# Altium PCB VALVEBOARD_Kun.PcbDoc (part 12 of 13) (continued)
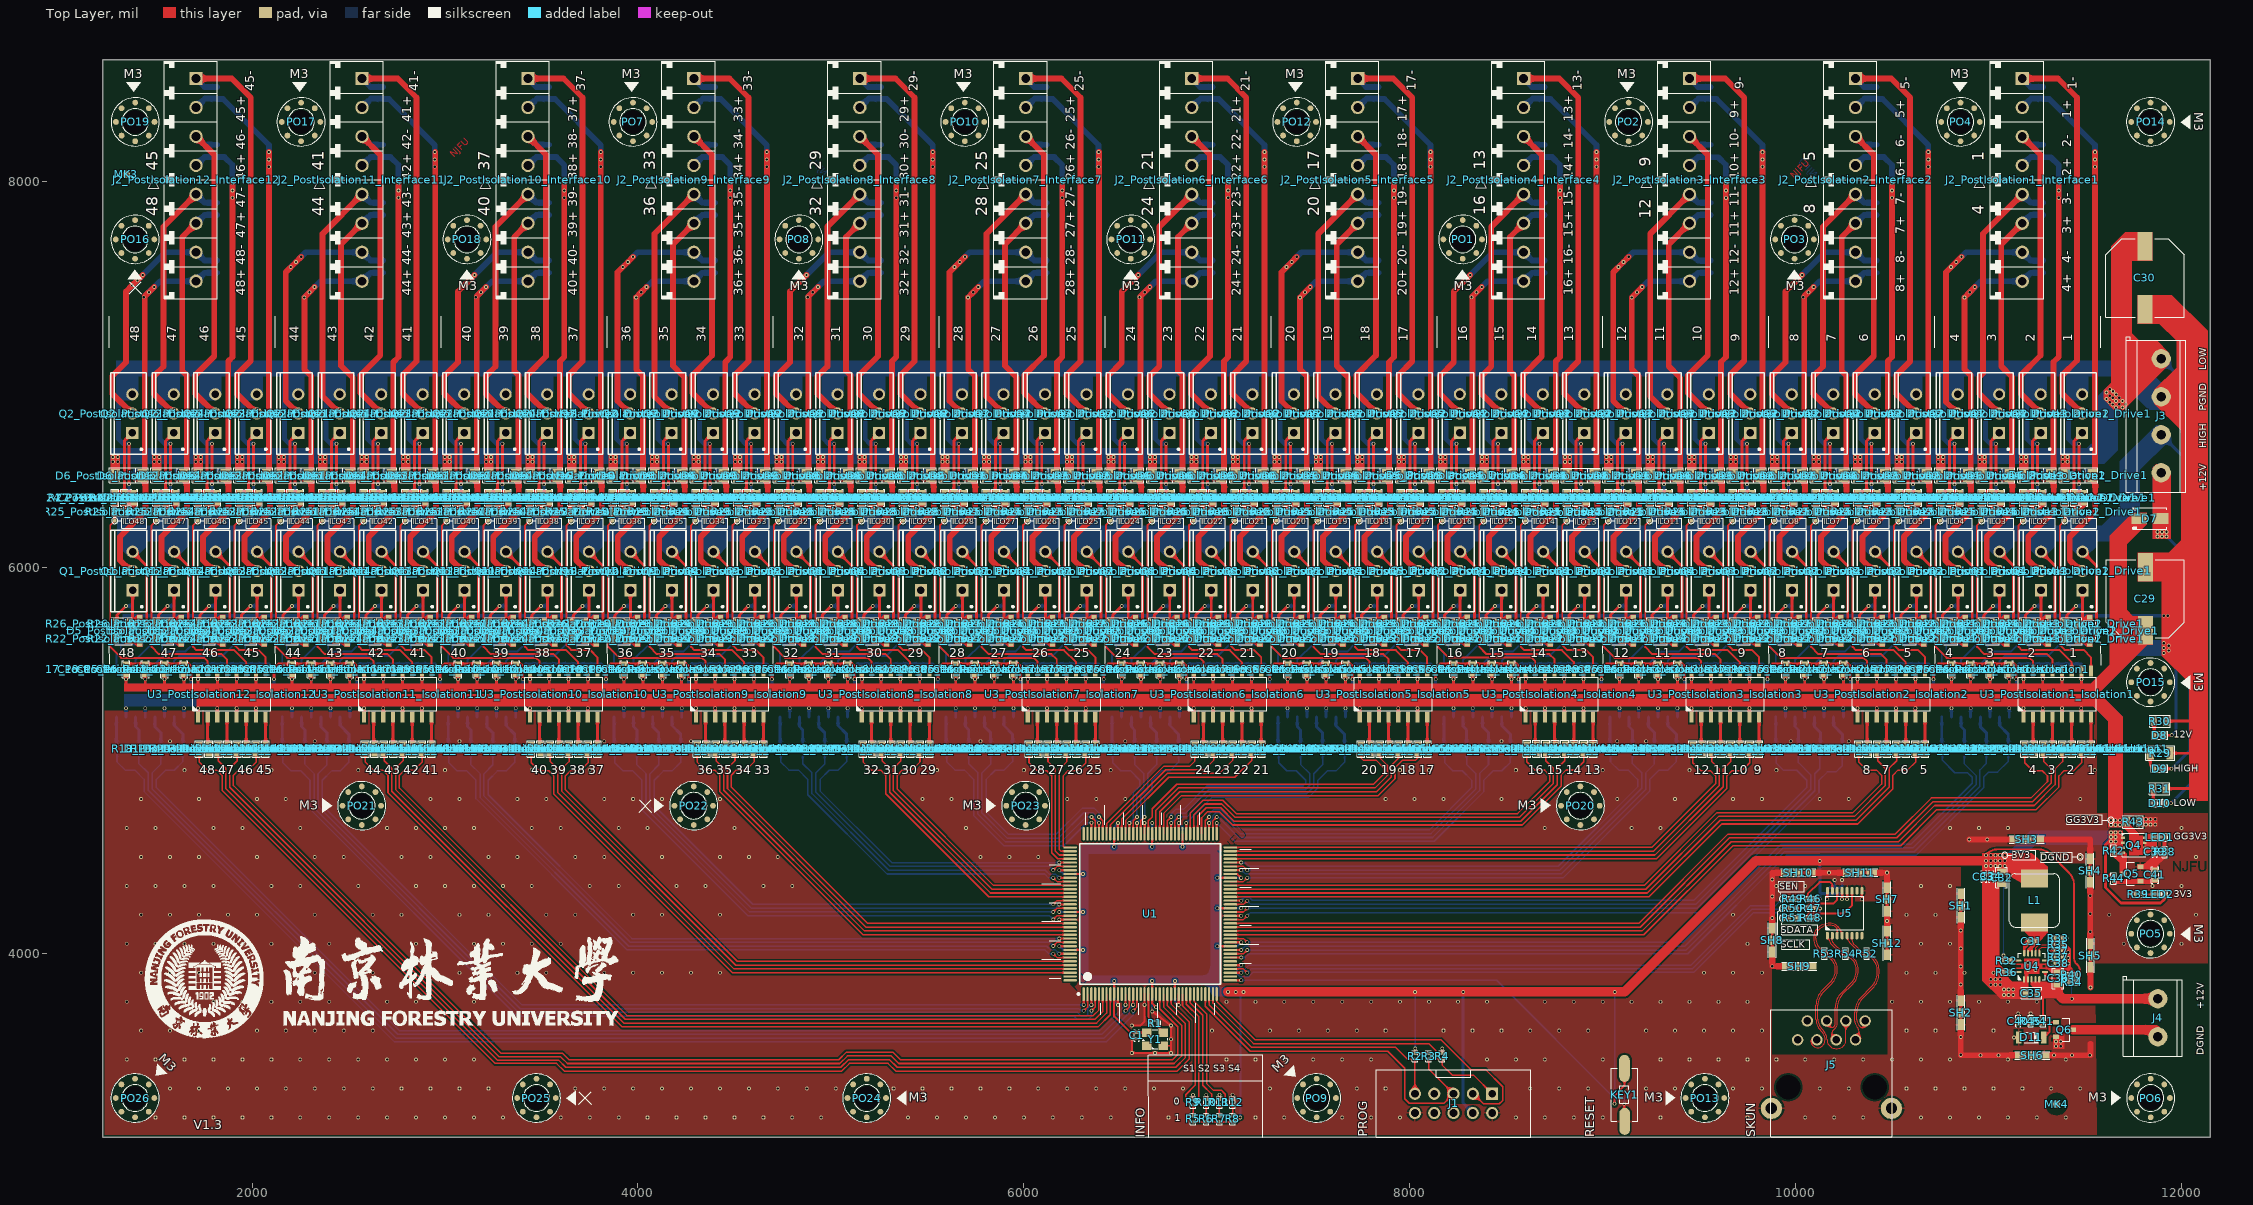
[diagram p0: Top Layer view]
## Nets (pads, with @x,y where several pads share a name; then routed paths per layer and width w, separated by ;. In a path a pad name is that pad's centre, name@x,y a point inside that pad or via, vN(x,y) a via of type N, cw(c..) or ccw(c..) an arc to the next point about the centre after c; other vN are vias at no path point) (continued)
UP2_12: R15_PostIsolation12_Isolation12.1 U1.13 | length 5916.4
  Top Layer w8: v1(6527.45,3702.66) 6546.73,3721.95 U1.13@6546.73,3789.65
  Bottom Layer w8: R15_PostIsolation12_Isolation12.1@1527.64,5032.29 1527.64,4981.62 1481.51,4935.48 1481.51,4853.68 2754.51,3580.68 6405.47,3580.68 v1(6527.45,3702.66)
UP3_1: R16_PostIsolation1_Isolation1.1 U1.45 | length 4402.1
  Top Layer w8: U1.45@7070.35,4017.99 v1(7126.6,4017.99)
  Bottom Layer w8: v1(7126.6,4017.99) 7146.31,4037.7 9424.88,4037.7 9934.05,4546.87 10607.11,4546.87 10934.96,4874.72 10934.96,4921.85 10874.5,4982.3 R16_PostIsolation1_Isolation1.1@10874.5,5032.29
UP3_2: R16_PostIsolation2_Isolation2.1 U1.57 | length 3479.7
  Top Layer w8: U1.57@7070.35,4254.21 7138.05,4254.21 v1(7157.34,4273.5)
  Bottom Layer w8: v1(7157.34,4273.5) 7176.65,4254.19 9481.99,4254.19 10078.87,4851.07 10078.87,4924.92 10014.38,4989.41 R16_PostIsolation2_Isolation2.1@10014.38,5032.31
UP3_3: R16_PostIsolation3_Isolation3.1 U1.67 | length 2511
  Top Layer w8: U1.67@7070.35,4451.06 7138.05,4451.06 v1(7157.34,4431.78)
  Bottom Layer w8: v1(7157.34,4431.78) 8777.11,4431.78 9201.94,4856.61 9201.94,4935.98 9154.32,4983.6 R16_PostIsolation3_Isolation3.1@9154.32,5032.31
UP3_4: R16_PostIsolation4_Isolation4.1 U1.75 | length 1807.3
  Top Layer w8: U1.75@6960.12,4620.35 v1@6960.12,4677.06
  Bottom Layer w8: v1@6960.28,4679.27 6979.85,4698.85 6979.85,4714.18 6994.15,4728.48 7012.89,4728.48 7120.43,4620.94 8110.21,4620.94 8341.97,4852.7 8341.97,4932.43 8294.35,4980.05 R16_PostIsolation4_Isolation4.1@8294.35,5028.75
  Bottom Layer w10: v1(6960.28,4676.07) v1@6960.28,4679.27
UP3_5: R16_PostIsolation5_Isolation5.1 U1.85 | length 1043.4
  Top Layer w8: U1.85@6763.27,4620.35 v1@6763.27,4677.06
  Bottom Layer w8: v1(6763.43,4676.07) 6783.63,4696.27 6783.63,4714.81 6795.71,4726.89 6837.25,4726.89 6958.4,4848.04 7458.27,4848.04 7481.91,4871.68 7481.91,4931.98 7434.28,4979.6 R16_PostIsolation5_Isolation5.1@7434.28,5028.31
UP3_6: R16_PostIsolation6_Isolation6.1 U1.95 | length 447.4
  Top Layer w8: U1.95@6566.42,4620.35 6566.42,4687.8 v1@6583.79,4705.17
  Bottom Layer w8: R16_PostIsolation6_Isolation6.1@6574.22,5028.31 6574.22,4979.6 6621.85,4931.98 6621.85,4858.91 6586.27,4823.33 v1(6586.27,4707.34)
UP3_7: R16_PostIsolation7_Isolation7.1 U1.105 | length 1127.3
  Top Layer w8: v1(6350.28,4707.34) 6369.57,4688.05 U1.105@6369.57,4620.35
  Bottom Layer w8: R16_PostIsolation7_Isolation7.1@5714.13,5032.29 5714.13,4983.58 5761.75,4935.96 5761.75,4720.96 5904.68,4578.03 6192.7,4578.03 6322,4707.34 v1(6350.28,4707.34)
UP3_8: R16_PostIsolation8_Isolation8.1 U1.117 | length 1742
  Top Layer w8: v1(6183.4,4392.01) U1.117@6239.65,4392.01
  Bottom Layer w8: R16_PostIsolation8_Isolation8.1@4854.07,5032.29 4854.07,4983.58 4901.69,4935.96 4901.69,4829.01 5299.32,4431.38 6110.4,4431.38 6130.46,4411.32 6164.09,4411.32 v1(6183.4,4392.01)
UP3_9: R16_PostIsolation9_Isolation9.1 U1.125 | length 2724.4
  Top Layer w8: v1(6152.66,4215.24) 6171.95,4234.53 U1.125@6239.65,4234.53
  Bottom Layer w8: R16_PostIsolation9_Isolation9.1@3994.04,5028.31 3994.04,4979.6 4041.66,4931.98 4041.66,4751.97 4578.39,4215.24 v1(6152.66,4215.24)
UP3_10: R16_PostIsolation10_Isolation10.1 U1.137 | length 3633.2
  Top Layer w8: v1(6183.4,3998.31) U1.137@6239.65,3998.31
  Bottom Layer w8: R16_PostIsolation10_Isolation10.1@3133.98,5028.31 3133.98,4979.6 3181.6,4931.98 3181.6,4808.43 3952.36,4037.68 6118.38,4037.68 6137.96,4018.09 6163.61,4018.09 v1(6183.4,3998.31)
UP3_11: R16_PostIsolation11_Isolation11.1 U1.3 | length 4866.8
  Top Layer w8: v1(6349.88,3733.4) U1.3@6349.88,3789.65
  Bottom Layer w8: R16_PostIsolation11_Isolation11.1@2273.92,5028.31 2273.92,4979.6 2321.54,4931.98 2321.54,4754.52 3382.03,3694.03 6278.19,3694.03 6296.48,3675.75 6322.9,3675.75 6330.32,3683.17 6330.32,3713.84 v1(6349.88,3733.4)
UP3_12: R16_PostIsolation12_Isolation12.1 U1.14 | length 5983.4
  Top Layer w8: v1(6566.42,3733.4) U1.14@6566.42,3789.65
  Bottom Layer w8: R16_PostIsolation12_Isolation12.1@1413.83,5032.29 1413.83,4983.59 1461.45,4935.96 1461.45,4845.91 2746.36,3561 6415.26,3561 6546.29,3692.03 6546.29,3713.27 v1(6566.42,3733.4)
UP4_1: R17_PostIsolation1_Isolation1.1 U1.48 | length 4446.6
  Top Layer w8: U1.48@7070.35,4077.05 7138.05,4077.05 v1(7157.34,4057.76)
  Bottom Layer w8: v1(7157.34,4057.76) 9416.57,4057.76 9925.74,4566.94 10599.34,4566.94 10914.89,4882.49 10914.89,4912.56 10890.52,4936.93 10824.39,4936.93 10760.68,5000.63 R17_PostIsolation1_Isolation1.1@10760.68,5032.29
UP4_2: R17_PostIsolation2_Isolation2.1 U1.58 | length 3521.6
  Top Layer w8: U1.58@7070.35,4273.9 7070.75,4273.5 v1(7127,4273.5)
  Bottom Layer w8: v1(7127,4273.5) 7145.84,4292.34 7166.81,4292.34 7183.61,4275.54 9473.14,4275.54 10057.52,4859.91 10057.52,4896.98 10005.46,4949.04 9937.02,4949.04 9900.56,4985.51 R17_PostIsolation2_Isolation2.1@9900.56,5032.31
UP4_3: R17_PostIsolation3_Isolation3.1 U1.68 | length 2545.1
  Top Layer w8: U1.68@7070.35,4470.75 v1(7126.07,4470.75)
  Bottom Layer w8: v1(7126.07,4470.75) 7128.05,4468.76 7149.61,4468.76 7167.07,4451.3 8769.02,4451.3 9180.59,4862.87 9180.59,4901.85 9132.14,4950.3 9082.79,4950.3 9040.5,4992.59 R17_PostIsolation3_Isolation3.1@9040.5,5032.31
UP4_4: R17_PostIsolation4_Isolation4.1 U1.76 | length 1867.1
  Top Layer w8: U1.76@6940.43,4620.35 6940.43,4687.8 v1@6957.81,4705.17
  Bottom Layer w8: v1(6960.28,4707.34) 6960.28,4722.08 6982.74,4744.54 7021.2,4744.54 7125.51,4640.23 8102.22,4640.23 8320.62,4858.62 8320.62,4898.29 8272.17,4946.74 8222.82,4946.74 8180.53,4989.03 R17_PostIsolation4_Isolation4.1@8180.53,5028.75
UP4_5: R17_PostIsolation5_Isolation5.1 U1.86 | length 1104.8
  Top Layer w8: U1.86@6743.58,4620.35 6743.58,4687.8 v1@6760.96,4705.17
  Bottom Layer w8: v1(6763.43,4707.34) 6763.43,4723.55 6786.47,4746.59 6827.09,4746.59 6948.24,4867.73 7447.31,4867.73 7460.56,4880.97 7460.56,4897.85 7412.11,4946.3 7362.76,4946.3 7320.47,4988.59 R17_PostIsolation5_Isolation5.1@7320.47,5028.31
UP4_6: R17_PostIsolation6_Isolation6.1 U1.96 | length 518.1
  Top Layer w8: U1.96@6546.73,4620.35 v1@6546.73,4677.06
  Bottom Layer w8: R17_PostIsolation6_Isolation6.1@6460.41,5028.31 6460.41,4988.59 6502.7,4946.3 6552.05,4946.3 6600.49,4897.85 6600.49,4866.01 6566.15,4831.66 6566.15,4695.32 v1(6546.9,4676.07)
UP4_7: R17_PostIsolation7_Isolation7.1 U1.106 | length 1184.7
  Top Layer w8: U1.106@6350.28,4620.75 v1(6350.28,4677)
  Bottom Layer w8: R17_PostIsolation7_Isolation7.1@5600.31,5032.29 5600.31,4992.57 5642.6,4950.28 5691.95,4950.28 5740.4,4901.83 5740.4,4714.47 5896.52,4558.35 6207.32,4558.35 6325.98,4677 v1(6350.28,4677)
UP4_8: R17_PostIsolation8_Isolation8.1 U1.118 | length 1842.5
  Top Layer w8: v1(6152.66,4391.61) 6171.95,4372.32 U1.118@6239.65,4372.32
  Bottom Layer w8: R17_PostIsolation8_Isolation8.1@4740.25,5032.29 4740.25,4992.57 4782.54,4950.28 4831.89,4950.28 4880.34,4901.83 4880.34,4822.52 5291.17,4411.69 6108.09,4411.69 6128.17,4391.61 v1(6152.66,4391.61)
UP4_9: R17_PostIsolation9_Isolation9.1 U1.127 | length 2833.4
  Top Layer w8: v1(6152.66,4175.87) 6171.95,4195.16 U1.127@6239.65,4195.16
  Bottom Layer w8: R17_PostIsolation9_Isolation9.1@3880.22,5028.31 3880.22,4988.59 3922.52,4946.29 3971.86,4946.29 4020.31,4897.85 4020.31,4744.92 4570.08,4195.16 6133.38,4195.16 v1(6152.66,4175.87)
UP4_10: R17_PostIsolation10_Isolation10.1 U1.138 | length 3733.4
  Top Layer w8: v1(6152.66,3997.91) 6171.95,3978.62 U1.138@6239.65,3978.62
  Bottom Layer w8: R17_PostIsolation10_Isolation10.1@3020.16,5028.31 3020.16,4988.59 3062.46,4946.29 3111.8,4946.29 3160.25,4897.85 3160.25,4802.55 3944.38,4018.42 6110.25,4018.42 6130.76,3997.91 v1(6152.66,3997.91)
UP4_11: R17_PostIsolation11_Isolation11.1 U1.4 | length 4997.9
  Top Layer w8: v1(6350.28,3702.66) 6369.57,3721.95 U1.4@6369.57,3789.65
  Bottom Layer w8: R17_PostIsolation11_Isolation11.1@2160.1,5028.31 2160.1,4988.59 2202.39,4946.3 2251.74,4946.3 2300.19,4897.85 2300.19,4748.02 3373.87,3674.34 6261.49,3674.34 6275.99,3659.84 6336.68,3659.84 6350.28,3673.44 v1(6350.28,3702.66)
UP4_12: R17_PostIsolation12_Isolation12.1 U1.15 | length 6118.4
  Top Layer w8: v1(6566.82,3702.66) 6586.1,3721.95 U1.15@6586.1,3789.65
  Bottom Layer w8: R17_PostIsolation12_Isolation12.1@1300.01,5032.29 1300.01,4992.57 1342.3,4950.28 1391.65,4950.28 1440.1,4901.83 1440.1,4839.42 2738.21,3541.31 6426.61,3541.31 6566.82,3681.52 v1(6566.82,3702.66)
VCC3.3: C1.2 C3.2 C4.2 C5.2 C6.2 C7.2 C8.2 C9.2 C10.2 C11.2 C12.2 C13.2 C14.2 C32.2 C33.2 C34.2 C42.2 C43.2 C44.2 J1.4 L1.2 LED2.2 Q4.S R2.2 R3.2 R5.2 R6.2 R7.2 R8.2 R13.2 R32.2 R34.2 R42.2 R44.2 R46.2 R47.2 R48.2 U1.9 U1.19 U1.25 U1.46 U1.56 U1.64 U1.82 U1.90 U1.100 U1.116 U1.126 U1.136 U5.13 U5.16 Y1.4 | length 14333.6
  Top Layer w5: v1(11077.39,3989.39) 11077.55,3989.22 R32.2@11077.55,3961.79
  Top Layer w10: U1.136@6239.65,4017.99 v1@6307.03,4017.99 ; U1.126@6239.65,4214.84 v1@6307.03,4214.84 ; U1.116@6239.65,4411.69 v1@6307.03,4411.69 ; v1@6467.99,3857.03 U1.9@6467.99,3789.65 6467.83,3789.65 6467.83,3673.68 6550.76,3590.75 C1.2@6585,3590.75 6634.41,3590.75 Y1.4@6636.69,3588.47 ; v1@6467.99,4552.97 U1.100@6467.99,4620.35 ; v1@6664.84,4552.97 U1.90@6664.84,4620.35 ; v1(6664.91,3857.1) 6664.84,3857.03 U1.19@6664.84,3789.65 6665.19,3789.3 6665.19,3740.69 v1(6684.91,3720.97) ; U1.25@6782.95,3789.65 v1@6782.95,3857.03 ; v1@6822.32,4552.97 U1.82@6822.32,4620.35 ; R5.2@6876.96,3127.14 R6.2@6945.29,3127.14 R7.2@7013.63,3127.14 R8.2@7081.96,3127.14 7098.91,3127.14 v1(7121.88,3150.11) ; v1@7002.97,4037.68 U1.46@7070.35,4037.68 ; v1@7002.97,4234.53 U1.56@7070.35,4234.53 ; v1@7002.97,4392.01 U1.64@7070.35,4392.01 ; R2.2@8027.79,3482.96 R3.2@8097.79,3482.96 ; R2.2@8028.18,3483.35 v1@8028.18,3507.18 ; R46.2@10094.11,4283.85 v1@10124.67,4283.85 ; R48.2@10094.56,4183.1 v1@10125.12,4183.1 ; R47.2@10094.56,4233.7 10125.12,4233.7 v1(10125.82,4232.99) ; v1(10164,4281.29) 10164.24,4281.53 U5.16@10164.24,4324.84 ; v1@10241.01,4281.53 U5.13@10241.01,4324.84 ; v1@10988.26,4513.96 cw(c11051.04,4451.19) 11051.04,4539.97 11254,4539.97 cw(c11254,4439.97) 11324.71,4510.68 11414.14,4421.25 cw(c11343.43,4350.54) 11443.43,4350.54 11443.43,3975.27 ccw(c11485.7,3975.27) 11455.81,3945.38 11460.8,3940.39 cw(c11430.58,3910.17) 11473.32,3910.17 11473.32,3876.16 cw(c11447.89,3876.16) R34.2@11447.89,3850.74
  Top Layer w15: v1(11634.13,4580.26) 11633.23,4579.36 11622.46,4579.36 11606.44,4563.34 11606.44,4404.68 ; R44.2@11647.41,4404.68 11606.44,4404.68 ; LED2.2@11913.75,4308.02 11911.24,4305.5 11911.24,4281.15 11891.13,4261.05 11686.85,4261.05 11606.44,4341.46 11606.44,4404.68
  Top Layer w50: v1@7057.85,3800.65 v1(7138.05,3800.65) v1(8027.54,3800.65) v1(8276.83,3800.65) v1(9062.52,3800.65) 9113.93,3800.65 9794.11,4480.83 10123.74,4480.83 v1(10125.38,4479.18) 10127.02,4480.83 v1(10986.88,4480.83)
  Bottom Layer w5: 11075.93,4460.84 11077.39,4459.38 v1(11077.39,3989.39)
  Bottom Layer w10: C9.2@6255.46,4017.93 v1(6307.1,4017.93) ; C6.2@6255.46,4214.78 v1(6307.1,4214.78) ; C13.2@6255.46,4411.63 v1(6307.1,4411.63) ; v1(6467.93,4552.9) C7.2@6467.93,4604.54 ; C8.2@6468.06,3805.46 v1(6468.06,3857.1) ; v1(6664.78,4552.9) C4.2@6664.78,4604.54 ; C3.2@6664.84,3805.39 6664.91,3805.46 v1(6664.91,3857.1) ; C10.2@6783.02,3805.46 v1(6783.02,3857.1) ; v1(6822.26,4552.9) C5.2@6822.26,4604.54 ; v1(7002.9,4037.74) C11.2@7054.54,4037.74 ; v1(7002.9,4234.59) C12.2@7054.54,4234.59 ; v1(7002.9,4392.07) C14.2@7054.54,4392.07 ; v1(7121.88,3150.11) 7121.88,3784.58 v1@7138.05,3800.75 ; v1(8027.54,3800.65) 8028.58,3799.61 v1(8028.58,3507.57) ; R13.2@9062.53,3279.84 v1(9062.52,3800.65) ; v1(10125.38,4283.15) 10125.6,4232.99 v1(10125.82,4182.39) ; v1(10164,4281.29) 10164,4308.85 C44.2@10164.24,4309.09 ; v1(10240.78,4281.29) C43.2@10240.78,4308.85
  Bottom Layer w15: v1(8276.83,3800.65) 8276.83,3224.11 8326.96,3173.97 J1.4@8326.96,3172.89 ; v1(10125.38,4283.15) 10125.38,4309.66 ; v1(10125.38,4479.18) 10125.38,4309.66 ; C43.2@10241.01,4309.09 C42.2@10202.63,4309.09 C44.2@10164.24,4309.09 10163.67,4309.66 10125.38,4309.66
  Bottom Layer w50: v1@7138.05,3800.75 v1(7057.85,3800.75) 6991.51,3800.75 6991.51,3860.21 ; 6991.51,3860.21 6991.51,4540.38 6310.32,4540.38 6310.32,4214.78 6310.32,3860.21 6664.91,3860.21 6991.51,3860.21
  other v1: 7097.95,3800.65 10986.88,4452.75 11011.17,4452.75 11035.47,4452.75 11059.77,4452.75 11084.07,4452.75 11011.17,4480.83 11035.47,4480.83 11059.77,4480.83 11084.07,4480.83 10986.88,4508.9 11011.17,4508.9 11035.47,4508.9 11059.77,4508.9 11658.42,4580.26 11634.13,4603.71 11657.58,4603.71 11634.13,4627.16 11657.58,4627.16 11681.88,4627.16
  other v2: 11084.07,4508.9
VCC3.3GG: C39.2 LED1.2 Q4.D R43.2 U2_PostIsolation1_Isolation1.1 U2_PostIsolation1_Isolation1.3 U2_PostIsolation1_Isolation1.5 U2_PostIsolation1_Isolation1.7 U2_PostIsolation2_Isolation2.1 U2_PostIsolation2_Isolation2.3 U2_PostIsolation2_Isolation2.5 U2_PostIsolation2_Isolation2.7 U2_PostIsolation3_Isolation3.1 U2_PostIsolation3_Isolation3.3 U2_PostIsolation3_Isolation3.5 U2_PostIsolation3_Isolation3.7 U2_PostIsolation4_Isolation4.1 U2_PostIsolation4_Isolation4.3 U2_PostIsolation4_Isolation4.5 U2_PostIsolation4_Isolation4.7 U2_PostIsolation5_Isolation5.1 U2_PostIsolation5_Isolation5.3 U2_PostIsolation5_Isolation5.5 U2_PostIsolation5_Isolation5.7 U2_PostIsolation6_Isolation6.1 U2_PostIsolation6_Isolation6.3 U2_PostIsolation6_Isolation6.5 U2_PostIsolation6_Isolation6.7 U2_PostIsolation7_Isolation7.1 U2_PostIsolation7_Isolation7.3 U2_PostIsolation7_Isolation7.5 U2_PostIsolation7_Isolation7.7 U2_PostIsolation8_Isolation8.1 U2_PostIsolation8_Isolation8.3 U2_PostIsolation8_Isolation8.5 U2_PostIsolation8_Isolation8.7 U2_PostIsolation9_Isolation9.1 U2_PostIsolation9_Isolation9.3 U2_PostIsolation9_Isolation9.5 U2_PostIsolation9_Isolation9.7 U2_PostIsolation10_Isolation10.1 U2_PostIsolation10_Isolation10.3 U2_PostIsolation10_Isolation10.5 U2_PostIsolation10_Isolation10.7 U2_PostIsolation11_Isolation11.1 U2_PostIsolation11_Isolation11.3 U2_PostIsolation11_Isolation11.5 U2_PostIsolation11_Isolation11.7 U2_PostIsolation12_Isolation12.1 U2_PostIsolation12_Isolation12.3 U2_PostIsolation12_Isolation12.5 U2_PostIsolation12_Isolation12.7 U3_PostIsolation1_Isolation1.1 U3_PostIsolation1_Isolation1.3 U3_PostIsolation1_Isolation1.5 U3_PostIsolation1_Isolation1.7 U3_PostIsolation2_Isolation2.1 U3_PostIsolation2_Isolation2.3 U3_PostIsolation2_Isolation2.5 U3_PostIsolation2_Isolation2.7 U3_PostIsolation3_Isolation3.1 U3_PostIsolation3_Isolation3.3 U3_PostIsolation3_Isolation3.5 U3_PostIsolation3_Isolation3.7 U3_PostIsolation4_Isolation4.1 U3_PostIsolation4_Isolation4.3 U3_PostIsolation4_Isolation4.5 U3_PostIsolation4_Isolation4.7 U3_PostIsolation5_Isolation5.1 U3_PostIsolation5_Isolation5.3 U3_PostIsolation5_Isolation5.5 U3_PostIsolation5_Isolation5.7 U3_PostIsolation6_Isolation6.1 U3_PostIsolation6_Isolation6.3 U3_PostIsolation6_Isolation6.5 U3_PostIsolation6_Isolation6.7 U3_PostIsolation7_Isolation7.1 U3_PostIsolation7_Isolation7.3 U3_PostIsolation7_Isolation7.5 U3_PostIsolation7_Isolation7.7 U3_PostIsolation8_Isolation8.1 U3_PostIsolation8_Isolation8.3 U3_PostIsolation8_Isolation8.5 U3_PostIsolation8_Isolation8.7 U3_PostIsolation9_Isolation9.1 U3_PostIsolation9_Isolation9.3 U3_PostIsolation9_Isolation9.5 U3_PostIsolation9_Isolation9.7 U3_PostIsolation10_Isolation10.1 U3_PostIsolation10_Isolation10.3 U3_PostIsolation10_Isolation10.5 U3_PostIsolation10_Isolation10.7 U3_PostIsolation11_Isolation11.1 U3_PostIsolation11_Isolation11.3 U3_PostIsolation11_Isolation11.5 U3_PostIsolation11_Isolation11.7 U3_PostIsolation12_Isolation12.1 U3_PostIsolation12_Isolation12.3 U3_PostIsolation12_Isolation12.5 U3_PostIsolation12_Isolation12.7 | length 8381.1
  Top Layer w15: 1719.77,5311.94 1719.77,5270.3 1720,5270.07 U3_PostIsolation12_Isolation12.1@1720,5224.44 ; U3_PostIsolation12_Isolation12.3@1820,5224.44 1820,5270.07 1820,5311.7 ; U3_PostIsolation12_Isolation12.5@1920,5224.44 1920,5270.07 1920,5311.7 ; U3_PostIsolation12_Isolation12.7@2020,5224.44 2020,5270.07 2020,5311.7 ; 2579.83,5311.94 2579.83,5270.3 2580.07,5270.07 U3_PostIsolation11_Isolation11.1@2580.07,5224.44 ; U3_PostIsolation11_Isolation11.3@2680.07,5224.44 2680.07,5270.07 2680.07,5311.7 ; U3_PostIsolation11_Isolation11.5@2780.07,5224.44 2780.07,5270.07 2780.07,5311.7 ; U3_PostIsolation11_Isolation11.7@2880.07,5224.44 2880.07,5270.07 2880.07,5311.7 ; 3439.89,5311.94 3439.89,5270.3 3440.13,5270.06 U3_PostIsolation10_Isolation10.1@3440.13,5224.44 ; U3_PostIsolation10_Isolation10.3@3540.13,5224.44 3540.13,5270.06 3540.13,5311.7 ; U3_PostIsolation10_Isolation10.5@3640.13,5224.44 3640.13,5270.06 3640.13,5311.7 ; U3_PostIsolation10_Isolation10.7@3740.13,5224.44 3740.13,5270.06 3740.13,5311.7 ; 4299.95,5311.94 4299.95,5270.3 4300.19,5270.06 U3_PostIsolation9_Isolation9.1@4300.19,5224.44 ; U3_PostIsolation9_Isolation9.3@4400.19,5224.44 4400.19,5270.06 4400.19,5311.7 ; U3_PostIsolation9_Isolation9.5@4500.19,5224.44 4500.19,5270.06 4500.19,5311.7 ; U3_PostIsolation9_Isolation9.7@4600.19,5224.44 4600.19,5270.06 4600.19,5311.7 ; 5160.01,5311.94 5160.01,5270.3 5160.25,5270.06 U3_PostIsolation8_Isolation8.1@5160.25,5224.44 ; U3_PostIsolation8_Isolation8.3@5260.25,5224.44 5260.25,5270.06 5260.25,5311.7 ; U3_PostIsolation8_Isolation8.5@5360.25,5224.44 5360.25,5270.06 5360.25,5311.7 ; U3_PostIsolation8_Isolation8.7@5460.25,5224.44 5460.25,5270.06 5460.25,5311.7 ; 6020.07,5311.94 6020.07,5270.3 6020.31,5270.06 U3_PostIsolation7_Isolation7.1@6020.31,5224.44 ; U3_PostIsolation7_Isolation7.3@6120.31,5224.44 6120.31,5270.06 6120.31,5311.7 ; U3_PostIsolation7_Isolation7.5@6220.31,5224.44 6220.31,5270.06 6220.31,5311.7 ; U3_PostIsolation7_Isolation7.7@6320.31,5224.44 6320.31,5270.06 6320.31,5311.7 ; 6880.13,5311.94 6880.13,5270.3 6880.37,5270.06 U3_PostIsolation6_Isolation6.1@6880.37,5224.44 ; U3_PostIsolation6_Isolation6.3@6980.37,5224.44 6980.37,5270.06 6980.37,5311.7 ; U3_PostIsolation6_Isolation6.5@7080.37,5224.44 7080.37,5270.06 7080.37,5311.7 ; U3_PostIsolation6_Isolation6.7@7180.37,5224.44 7180.37,5270.06 7180.37,5311.7 ; 7740.19,5311.94 7740.19,5270.3 7740.43,5270.06 U3_PostIsolation5_Isolation5.1@7740.43,5224.44 ; U3_PostIsolation5_Isolation5.3@7840.43,5224.44 7840.43,5270.06 7840.43,5311.7 ; U3_PostIsolation5_Isolation5.5@7940.43,5224.44 7940.43,5270.06 7940.43,5311.7 ; U3_PostIsolation5_Isolation5.7@8040.43,5224.44 8040.43,5270.06 8040.43,5311.7 ; 8600.25,5312.39 8600.25,5270.75 8600.49,5270.51 U3_PostIsolation4_Isolation4.1@8600.49,5224.89 ; U3_PostIsolation4_Isolation4.3@8700.49,5224.89 8700.49,5270.51 8700.49,5312.15 ; U3_PostIsolation4_Isolation4.5@8800.49,5224.89 8800.49,5270.51 8800.49,5312.15 ; U3_PostIsolation4_Isolation4.7@8900.49,5224.89 8900.49,5270.51 8900.49,5312.15 ; 9460.26,5311.96 9460.26,5270.32 9460.5,5270.08 U3_PostIsolation3_Isolation3.1@9460.5,5224.46 ; U3_PostIsolation3_Isolation3.3@9560.5,5224.46 9560.5,5270.08 9560.5,5311.72 ; U3_PostIsolation3_Isolation3.5@9660.5,5224.46 9660.5,5270.08 9660.5,5311.72 ; U3_PostIsolation3_Isolation3.7@9760.5,5224.46 9760.5,5270.08 9760.5,5311.72 ; 10320.32,5311.96 10320.32,5270.32 10320.56,5270.08 U3_PostIsolation2_Isolation2.1@10320.56,5224.46 ; U3_PostIsolation2_Isolation2.3@10420.56,5224.46 10420.56,5270.08 10420.56,5311.72 ; U3_PostIsolation2_Isolation2.5@10520.56,5224.46 10520.56,5270.08 10520.56,5311.72 ; U3_PostIsolation2_Isolation2.7@10620.56,5224.46 10620.56,5270.08 10620.56,5311.72 ; 11180.44,5311.94 11180.44,5270.3 11180.68,5270.06 U3_PostIsolation1_Isolation1.1@11180.68,5224.44 ; U3_PostIsolation1_Isolation1.3@11280.68,5224.44 11280.68,5270.06 11280.68,5311.7 ; U3_PostIsolation1_Isolation1.5@11380.68,5224.44 11380.68,5270.06 11380.68,5311.7 ; U3_PostIsolation1_Isolation1.7@11480.68,5224.44 11480.68,5270.06 11480.68,5311.7
  Bottom Layer w15: U2_PostIsolation12_Isolation12.7@1346.51,5224.81 v1@1346.51,5270.43 ; v1(1346.51,5270.67) 1346.51,5312.31 ; U2_PostIsolation12_Isolation12.5@1446.51,5224.81 1446.51,5270.43 1446.51,5312.07 ; U2_PostIsolation12_Isolation12.3@1546.51,5224.81 1546.51,5270.43 1546.51,5312.07 ; U2_PostIsolation12_Isolation12.1@1646.51,5224.81 1646.51,5270.43 1646.51,5312.07 ; U2_PostIsolation11_Isolation11.7@2206.57,5224.81 v1@2206.57,5270.43 ; v1(2206.57,5270.67) 2206.57,5312.31 ; U2_PostIsolation11_Isolation11.5@2306.57,5224.81 2306.57,5270.43 2306.57,5312.07 ; U2_PostIsolation11_Isolation11.3@2406.57,5224.81 2406.57,5270.43 2406.57,5312.07 ; U2_PostIsolation11_Isolation11.1@2506.57,5224.81 2506.57,5270.43 2506.57,5312.07 ; U2_PostIsolation10_Isolation10.7@3066.63,5224.8 v1@3066.63,5270.43 ; v1(3066.63,5270.66) 3066.63,5312.3 ; U2_PostIsolation10_Isolation10.5@3166.63,5224.8 3166.63,5270.43 3166.63,5312.07 ; U2_PostIsolation10_Isolation10.3@3266.63,5224.8 3266.63,5270.43 3266.63,5312.07 ; U2_PostIsolation10_Isolation10.1@3366.63,5224.8 3366.63,5270.43 3366.63,5312.07 ; U2_PostIsolation9_Isolation9.7@3926.69,5224.8 v1@3926.69,5270.43 ; v1(3926.69,5270.66) 3926.69,5312.3 ; U2_PostIsolation9_Isolation9.5@4026.69,5224.8 4026.69,5270.43 4026.69,5312.07 ; U2_PostIsolation9_Isolation9.3@4126.69,5224.8 4126.69,5270.43 4126.69,5312.07 ; U2_PostIsolation9_Isolation9.1@4226.69,5224.8 4226.69,5270.43 4226.69,5312.07 ; U2_PostIsolation8_Isolation8.7@4786.75,5224.8 v1@4786.75,5270.43 ; v1(4786.75,5270.67) 4786.75,5312.3 ; U2_PostIsolation8_Isolation8.5@4886.75,5224.8 4886.75,5270.43 4886.75,5312.07 ; U2_PostIsolation8_Isolation8.3@4986.75,5224.8 4986.75,5270.43 4986.75,5312.07 ; U2_PostIsolation8_Isolation8.1@5086.75,5224.8 5086.75,5270.43 5086.75,5312.07 ; U2_PostIsolation7_Isolation7.7@5646.81,5224.8 v1@5646.81,5270.43 ; v1(5646.81,5270.67) 5646.81,5312.3 ; U2_PostIsolation7_Isolation7.5@5746.81,5224.8 5746.81,5270.43 5746.81,5312.07 ; U2_PostIsolation7_Isolation7.3@5846.81,5224.8 5846.81,5270.43 5846.81,5312.07 ; U2_PostIsolation7_Isolation7.1@5946.81,5224.8 5946.81,5270.43 5946.81,5312.07 ; U2_PostIsolation6_Isolation6.7@6506.87,5224.8 v1@6506.87,5270.43 ; v1(6506.87,5270.67) 6506.87,5312.3 ; U2_PostIsolation6_Isolation6.5@6606.87,5224.8 6606.87,5270.43 6606.87,5312.07 ; U2_PostIsolation6_Isolation6.3@6706.87,5224.8 6706.87,5270.43 6706.87,5312.07 ; U2_PostIsolation6_Isolation6.1@6806.87,5224.8 6806.87,5270.43 6806.87,5312.07 ; U2_PostIsolation5_Isolation5.7@7366.93,5224.8 v1@7366.93,5270.43 ; v1(7366.93,5270.67) 7366.93,5312.3 ; U2_PostIsolation5_Isolation5.5@7466.93,5224.8 7466.93,5270.43 7466.93,5312.07 ; U2_PostIsolation5_Isolation5.3@7566.93,5224.8 7566.93,5270.43 7566.93,5312.07 ; U2_PostIsolation5_Isolation5.1@7666.93,5224.8 7666.93,5270.43 7666.93,5312.07 ; U2_PostIsolation4_Isolation4.7@8226.99,5225.25 v1@8226.99,5270.87 ; v1(8226.99,5271.11) 8226.99,5312.75 ; U2_PostIsolation4_Isolation4.5@8326.99,5225.25 8326.99,5270.87 8326.99,5312.51 ; U2_PostIsolation4_Isolation4.3@8426.99,5225.25 8426.99,5270.87 8426.99,5312.51 ; U2_PostIsolation4_Isolation4.1@8526.99,5225.25 8526.99,5270.87 8526.99,5312.51 ; U2_PostIsolation3_Isolation3.7@9087,5224.82 v1@9087,5270.45 ; v1(9087,5270.68) 9087,5312.32 ; U2_PostIsolation3_Isolation3.5@9187,5224.82 9187,5270.45 9187,5312.09 ; U2_PostIsolation3_Isolation3.3@9287,5224.82 9287,5270.45 9287,5312.09 ; U2_PostIsolation3_Isolation3.1@9387,5224.82 9387,5270.45 9387,5312.09 ; U2_PostIsolation2_Isolation2.7@9947.06,5224.82 v1@9947.06,5270.45 ; v1(9947.06,5270.68) 9947.06,5312.32 ; U2_PostIsolation2_Isolation2.5@10047.06,5224.82 10047.06,5270.45 10047.06,5312.09 ; U2_PostIsolation2_Isolation2.3@10147.06,5224.82 10147.06,5270.45 10147.06,5312.09 ; U2_PostIsolation2_Isolation2.1@10247.06,5224.82 10247.06,5270.45 10247.06,5312.09 ; U2_PostIsolation1_Isolation1.7@10807.18,5224.8 v1@10807.18,5270.43 ; v1(10807.18,5270.67) 10807.18,5312.3 ; U2_PostIsolation1_Isolation1.5@10907.18,5224.8 10907.18,5270.43 10907.18,5312.07 ; U2_PostIsolation1_Isolation1.3@11007.18,5224.8 11007.18,5270.43 11007.18,5312.07 ; U2_PostIsolation1_Isolation1.1@11107.18,5224.8 11107.18,5270.43 11107.18,5312.07
  other v1: 11634.13,4666.34 11657.58,4666.34 11681.03,4666.34 11657.58,4690.64 11681.03,4690.64 1720,5270.3 1820,5270.3 1920,5270.3 2020,5270.3 2580.07,5270.3 2680.07,5270.3 2780.07,5270.3 2880.07,5270.3 3440.13,5270.3 3540.13,5270.3 3640.13,5270.3 3740.13,5270.3 4300.19,5270.3 4400.19,5270.3 4500.19,5270.3 4600.19,5270.3 5160.25,5270.3 5260.25,5270.3 5360.25,5270.3 5460.25,5270.3 6020.31,5270.3 6120.31,5270.3 6220.31,5270.3 6320.31,5270.3 6880.37,5270.3 6980.37,5270.3 7080.37,5270.3 7180.37,5270.3 7740.43,5270.3 7840.43,5270.3 7940.43,5270.3 8040.43,5270.3 9460.5,5270.32 9560.5,5270.32 9660.5,5270.32 9760.5,5270.32 10320.56,5270.32 10420.56,5270.32 10520.56,5270.32 10620.56,5270.32 11180.68,5270.3 11280.68,5270.3 11380.68,5270.3 11480.68,5270.3 1446.51,5270.67 1546.51,5270.67 1646.51,5270.67 2306.57,5270.67 2406.57,5270.67 2506.57,5270.67 3166.63,5270.66 3266.63,5270.66 3366.63,5270.66 4026.69,5270.66 4126.69,5270.66 4226.69,5270.66 4886.75,5270.67 4986.75,5270.67 5086.75,5270.67 5746.81,5270.67 5846.81,5270.67 5946.81,5270.67 6606.87,5270.67 6706.87,5270.67 6806.87,5270.67 7466.93,5270.67 7566.93,5270.67 7666.93,5270.67 8326.99,5271.11 8426.99,5271.11 8526.99,5271.11 8600.49,5270.75 8700.49,5270.75 8800.49,5270.75 8900.49,5270.75 9187,5270.68 9287,5270.68 9387,5270.68 10047.06,5270.68 10147.06,5270.68 10247.06,5270.68 10907.18,5270.67 11007.18,5270.67 11107.18,5270.67
  other v2: 11634.13,4690.64
VCC12: C35.2 C36.2 J4.2 R33.2 R41.2 U4.4 U4.5 U4.6 | length 1037.7
  Top Layer w5: R33.2@11375.8,4078.43 v1(11405.12,4078.43)
  Top Layer w10: R41.2@11282.36,3664.65 11282.36,3794.88 11283.33,3794.88
  Top Layer w50: 11351.2,3798.79 11384.94,3765.05 v1(11431.66,3765.05) J4.2@11877.19,3765.05
  Bottom Layer w5: v1(11405.12,4078.43) 11389.58,4062.89 11389.58,3940.61 11431.66,3898.53 v1(11431.66,3765.05)
XTAL: R1.2 U1.18 | length 156.2
  Top Layer w10: U1.18@6645.16,3789.65 6645.16,3684.35 ccw(c6709.98,3684.35) R1.2@6664.14,3638.51
pads on no net: J1.6 J1.7 J1.8 J5. J5.7 J5.8 MK1. MK2. MK3. MK4. PO1. PO2. PO3. PO4. PO5. PO6. PO7. PO8. PO9. PO10. PO11. PO12. PO13. PO14. PO15. PO16. PO17. PO18. PO19. PO20. PO21. PO22. PO23. PO24. PO25. PO26. U1.11 U1.16 U1.20 U1.31 U1.32 U1.38 U1.42 U1.107 U1.108 U1.143 U1.144 U5.7 U5.8 U5.10 Y1.1
copper on no net: | length 34.4
  Top Layer w15: 11914.96,5130.75 11948.44,5130.75 v1(11949.06,5131.37)

## Polygon pours and split planes (outlines as drawn)
DGND on Bottom Layer "NONET_L-01_P-001" (solid, remove dead copper, pour order 1): 1225.2,5256.61 11561.23,5256.61 11560.4,4726.89 12148.61,4726.89 12148.61,3949.23 11550.53,3949.23 11561.23,3047.69 1225.2,3047.69
DGND on Top Layer "NONET_L-01_P-001" (solid, remove dead copper, pour order 2): 1225.2,5256.61 11561.23,5256.61 11560.4,4726.88 12148.61,4726.88 12148.61,3949.23 11550.53,3949.23 11561.23,3047.69 1225.21,3047.69

## Other copper
Top Layer:
  drawing of 375 lines, arcs and shapes, not listed
  text "NJFU" at 3055.7,8114.24 h60 r45
  text "NJFU" at 10002.89,8001.43 h60 r45
Bottom Layer:
  drawing of 591 lines, arcs and shapes, not listed
  text "NJFU" at 4954.72,8015.93 h60 r315
  text "NJFU" at 10082.69,8008.52 h60 r315